# Altium PCB DoubleMain.PcbDoc (part 2 of 3)
Units mm, origin at the board's own origin, x right, y up, seen from the top; angles counter-clockwise.
Board outline 152.4 x 101.6 mm, 2 copper layers (Top Layer, Bottom Layer); 202 components, 0 nets, 741 pads, 650 vias.
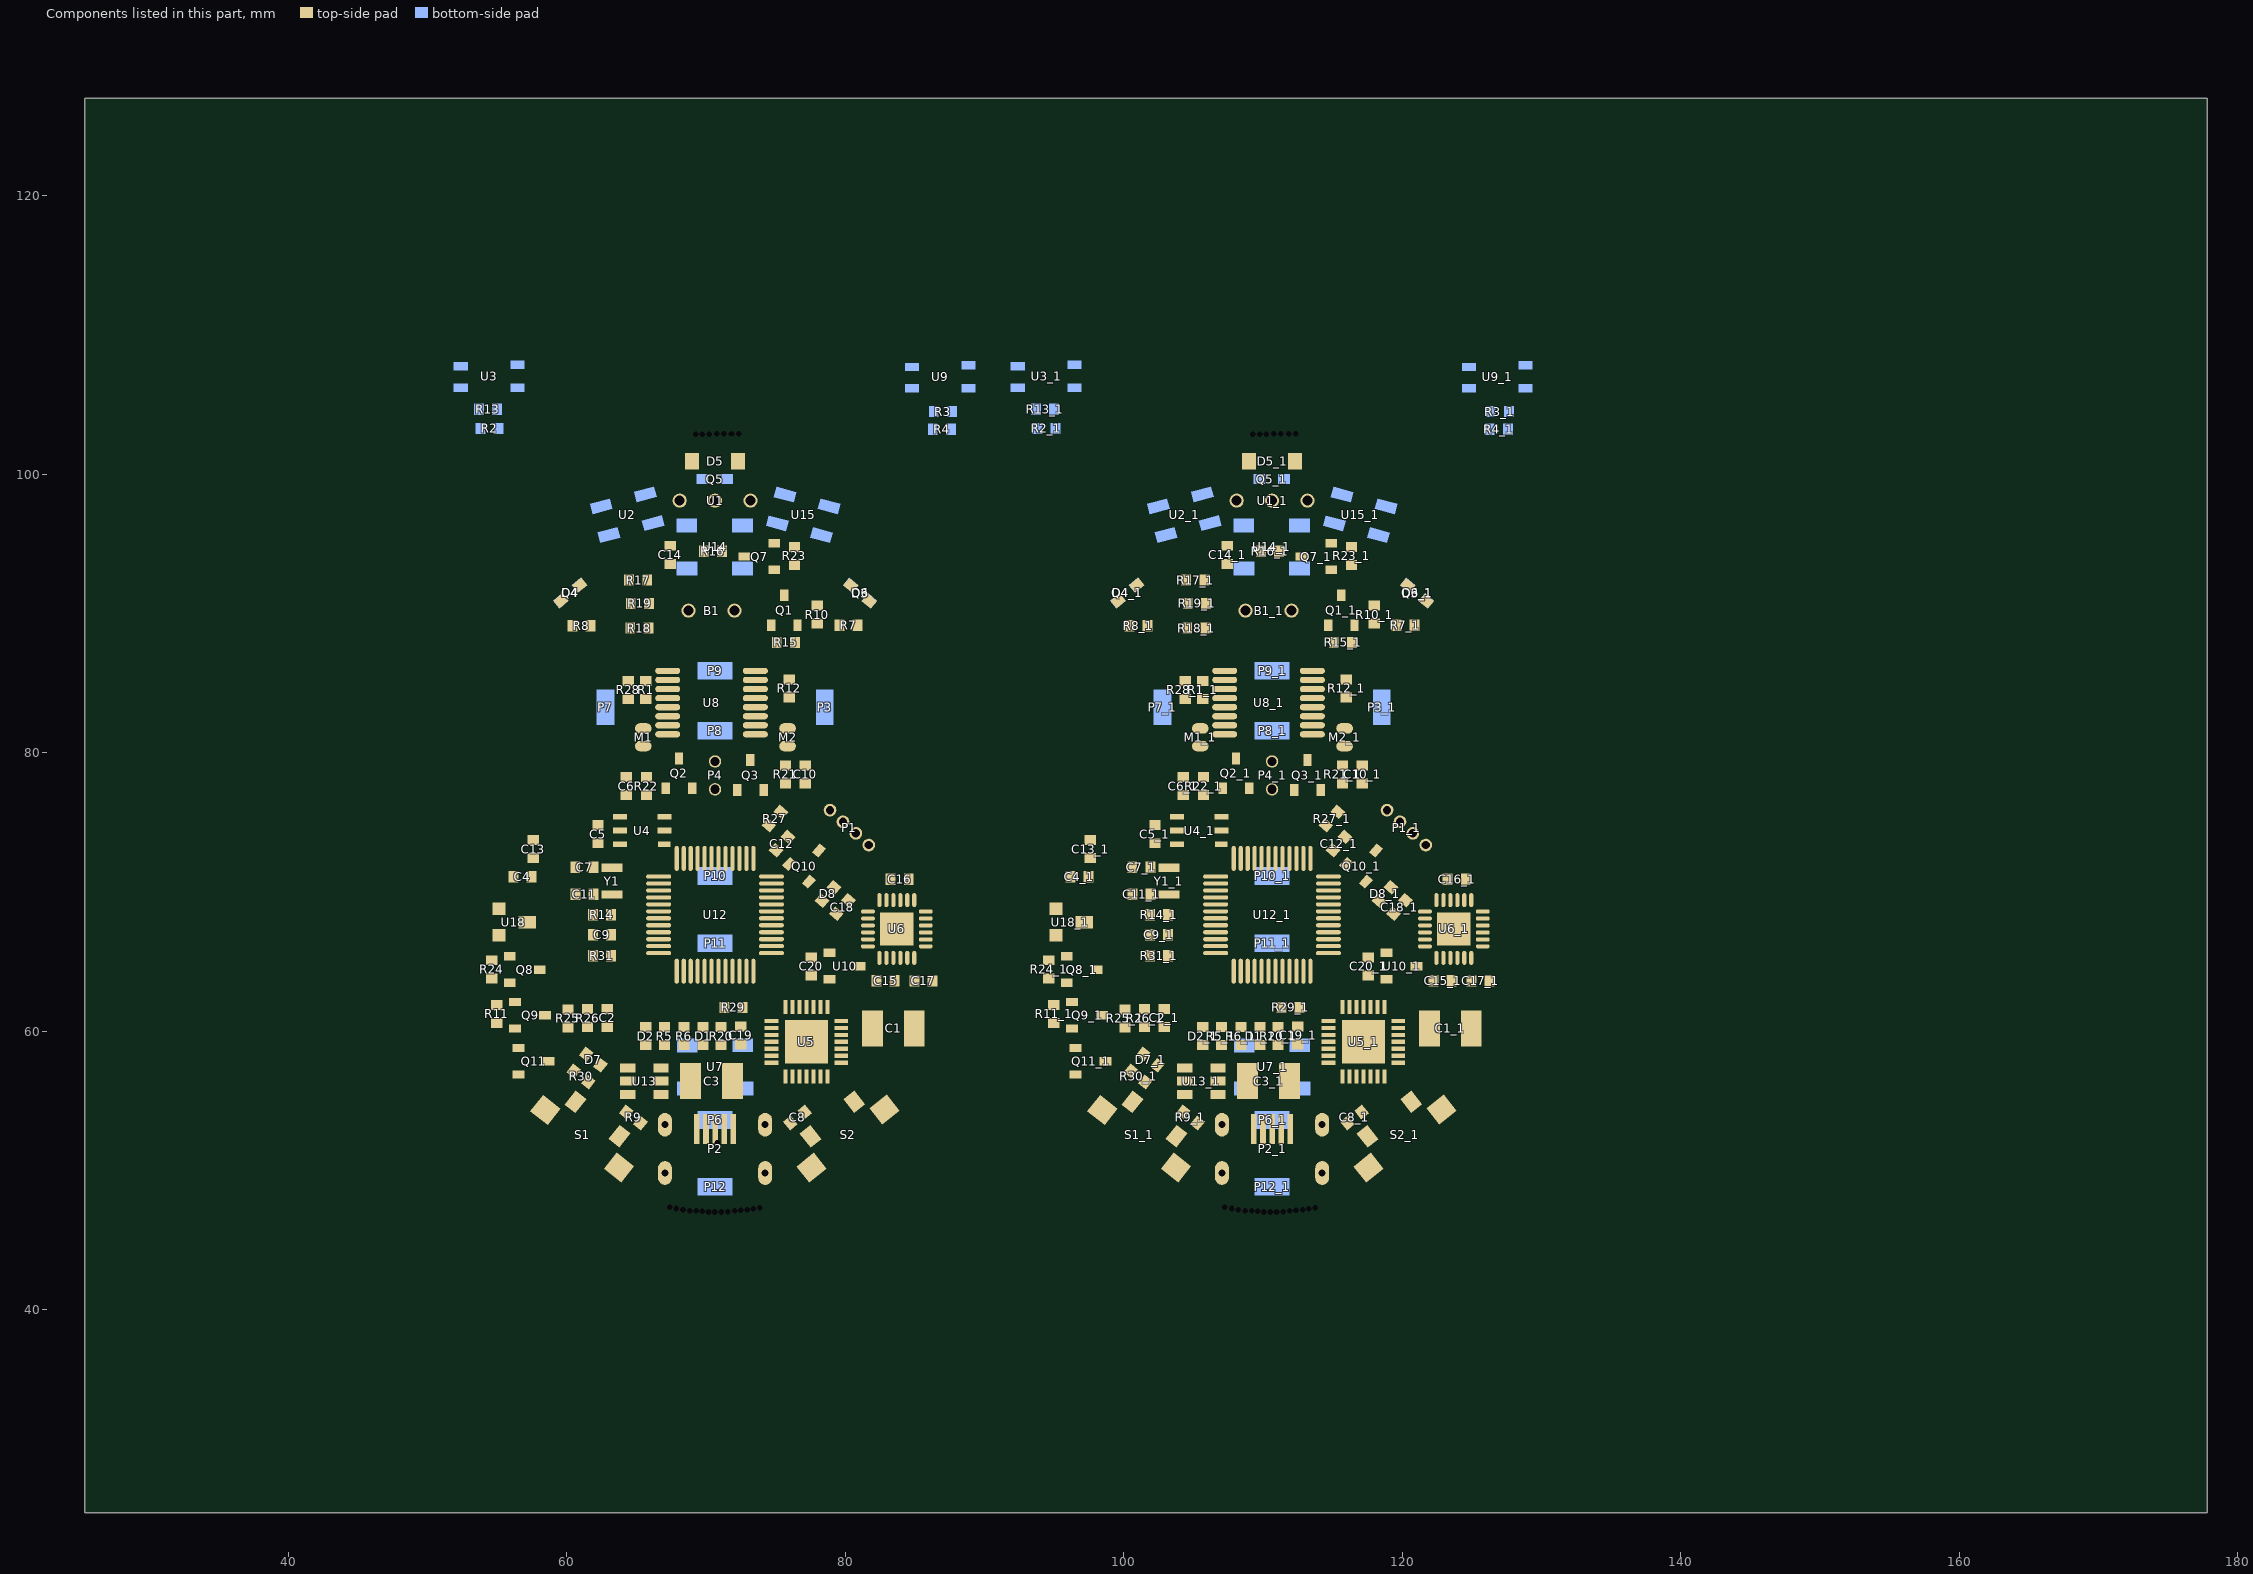
[diagram p2: the components of this part, seen from the top]

## Via types
v1: diameter 0.406, hole 0.254, Top Layer to Bottom Layer, 332 vias
v2: diameter 0.4, hole 0.254, Top Layer to Bottom Layer, 318 vias

## Nets (pads, with @x,y where several pads share a name; then routed paths per layer and width w, separated by ;. In a path a pad name is that pad's centre, name@x,y a point inside that pad or via, vN(x,y) a via of type N, cw(c..) or ccw(c..) an arc to the next point about the centre after c; other vN are vias at no path point) (continued)
copper on no net: | length 3039.1
  Top Layer w0.152: v1@52.009,105.06 53.845,105.06 cw(c53.845,103.963) 54.621,104.738 55.327,104.032 ccw(c55.912,104.617) 55.912,103.79 ccw(c55.912,105.291) 56.104,103.802 ccw(c55.912,105.291) 56.974,104.229 56.977,104.232 cw(c58.054,103.154) 58.054,104.679 59.212,104.679 cw(c59.212,102.139) 61.008,103.935 62.238,102.705 cw(c60.442,100.909) 62.749,101.972 62.922,101.799 ; 54.625,65.095 55.638,65.095 55.913,65.37 55.979,65.436 v1(56.835,65.436) ; 54.981,61.895 56.095,61.895 56.294,62.093 56.38,62.007 v1(57.14,62.007) ; 56.404,105.074 59.884,105.074 cw(c59.884,103.707) 60.851,104.673 63.23,102.294 cw(c62.113,101.176) 63.693,101.176 63.693,99.56 ccw(c64.716,99.56) 63.993,98.837 64.199,98.631 cw(c62.85,97.282) 64.339,98.475 ; 56.548,56.891 56.639,56.8 56.69,56.85 v1(57.419,56.85) ; 56.548,58.791 56.548,58.687 57.973,57.262 60.59,57.262 60.59,57.276 ; v1(58.004,58.73) 58.698,58.036 58.698,57.841 ; v1(58.054,63.531) 58.063,63.539 58.063,64.42 ; v1(59.346,75.345) ccw(c59.346,75.057) 59.142,75.261 ccw(c59.806,74.597) 58.867,74.608 ccw(c59.806,74.597) 58.867,74.597 58.867,65.817 59.123,65.561 59.123,63.722 59.517,63.327 63.352,63.327 63.987,62.692 68.149,62.692 68.903,63.446 68.903,64.307 ; 59.578,66.214 59.578,73.671 cw(c60.012,73.671) 59.705,73.977 59.901,74.173 v1(59.916,74.173) ; 59.585,66.214 59.839,65.96 59.839,64.216 60.017,64.039 63.896,64.039 64.15,63.785 ; 59.594,90.908 59.953,90.908 61.702,89.159 61.702,89.108 ; v1@59.655,89.108 60.402,89.108 ; 60.088,61.567 60.115,61.594 61.495,61.594 61.755,61.594 62.395,62.234 63.44,62.234 63.692,61.981 68.443,61.981 69.903,63.441 69.903,64.307 ; v1(60.112,58.476) 61.502,58.476 61.567,58.411 62.993,58.411 64.477,59.895 64.477,61.089 65.014,61.626 68.591,61.626 70.403,63.438 70.403,64.307 ; v1(60.628,73.157) 60.972,73.157 cw(c60.972,72.29) 61.585,72.903 61.661,72.827 ccw(c62.152,73.318) 62.152,72.624 63.903,72.624 cw(c63.903,71.618) 64.614,72.329 64.979,71.964 ; 60.637,54.929 62.178,54.929 62.554,55.305 62.554,55.758 62.449,55.864 62.449,56.18 62.424,56.205 62.424,57.438 62.554,57.568 ; 60.678,57.276 60.678,57.344 ; 61.055,92.033 v1(61.788,92.766) ; v1(61.255,90.709) 61.456,90.709 cw(c61.456,89.798) 62.1,90.442 cw(c60.951,89.293) 62.576,89.293 cw(c61.345,89.293) 62.215,88.423 62.245,88.392 62.245,78.998 61.256,78.009 61.255,78.009 58.791,75.545 ccw(c59.466,74.87) 58.512,74.87 58.512,65.639 58.767,65.383 58.767,63.575 59.37,62.972 63.205,62.972 63.84,62.337 68.296,62.337 69.403,63.444 69.403,64.307 ; 61.403,61.521 61.495,61.521 ; 61.912,71.776 63.244,71.776 63.246,71.778 63.538,71.778 64.276,71.04 64.276,69.222 64.503,68.995 64.848,68.995 64.928,68.915 65.057,68.915 65.248,69.107 66.603,69.107 ; 61.919,69.83 61.929,69.819 63.246,69.819 63.246,69.565 64.173,68.639 64.701,68.639 64.78,68.56 66.556,68.56 66.603,68.607 ; v1(62.017,77.873) 60.391,76.248 60.274,76.13 ccw(c60.91,75.494) 60.01,75.494 cw(c59.415,75.494) 59.836,75.073 59.498,74.736 ccw(c60.164,74.071) 59.223,74.071 59.223,66.176 ccw(c60.09,66.176) 59.234,66.04 59.478,65.795 59.478,63.912 59.707,63.683 63.499,63.683 64.134,63.048 68.001,63.048 68.332,63.379 68.332,64.307 68.403,64.307 ; 62.554,57.525 62.61,57.525 63.993,58.908 64.11,58.908 64.889,59.686 ccw(c63.984,59.989) 64.938,59.989 64.938,60.737 65.471,61.27 68.738,61.27 70.903,63.435 70.903,64.307 ; 62.922,101.799 cw(c62.148,101.025) 63.243,101.025 63.243,99.272 ccw(c64.145,99.272) 63.507,98.633 63.583,98.557 cw(c62.809,97.783) 63.904,97.783 63.904,97.413 64.071,96.756 64.133,96.356 64.292,96.137 64.292,95.916 64.303,95.904 64.303,94.92 63.393,94.011 63.393,93.316 63.414,93.295 63.414,88.423 62.601,87.61 62.601,77.602 60.46,75.461 60.46,74.173 cw(c59.829,74.173) 60.276,73.728 59.934,73.386 59.934,66.377 60.195,66.116 60.195,64.572 60.373,64.394 64.074,64.394 cw(c64.074,63.658) 64.247,64.374 cw(c64.074,63.658) 64.595,64.179 64.666,64.107 ccw(c65.015,64.456) 65.015,63.962 65.372,63.962 ccw(c65.372,64.569) 65.708,64.064 ccw(c65.361,64.411) 65.852,64.411 65.852,64.506 ccw(c65.269,64.516) 65.852,64.516 ccw(c65.289,64.516) 65.687,64.915 65.522,65.08 ; v1(62.931,56.241) 62.931,56.368 63.237,56.674 63.237,57.334 63.543,57.64 63.543,57.809 64.286,58.552 v1(64.658,58.552) ; 63.175,66.833 ccw(c63.64,66.833) 63.311,66.503 ; v1(63.414,87.534) 63.033,87.153 63.033,82.713 63.126,82.619 63.126,80.355 63.033,80.262 63.033,79.82 63.126,79.726 63.126,79.33 63.082,79.286 63.082,78.844 63.126,78.8 63.126,76.819 ccw(c63.975,76.819) 63.375,76.219 ccw(c63.592,76.436) 63.592,76.129 65.885,76.129 66.24,75.775 66.24,75.095 66.403,74.932 67.884,74.932 cw(c67.884,73.82) 68.67,74.606 69.281,73.995 69.281,73.488 69.403,73.366 69.403,72.407 ; 63.469,52.69 64.246,52.69 64.252,52.683 65.004,53.435 ; v1(63.566,80.041) 63.566,82.682 63.388,82.86 63.388,86.717 63.976,87.305 63.976,87.788 cw(c64.475,88.286) 63.769,88.286 63.769,93.413 cw(c64.476,93.413) 63.976,93.913 cw(c64.476,93.413) 64.476,94.12 65.782,94.12 cw(c66.045,93.857) 66.045,94.229 68.168,94.229 ccw(c68.168,94.438) 68.316,94.29 ccw(c68.071,94.535) 68.418,94.535 68.418,95.222 cw(c69.417,95.222) 68.71,95.929 cw(c70.211,94.428) 70.211,96.551 70.633,96.551 ccw(c70.633,97.702) 71.447,96.888 71.641,97.081 ; v1(63.642,79.075) 63.642,79.092 64.1,79.549 64.1,80.262 64.023,80.338 64.023,82.835 63.744,83.114 63.744,85.73 64.611,86.597 65.279,86.597 cw(c65.64,85.257) 65.64,86.645 65.904,86.645 ccw(c65.904,87.685) 66.64,86.949 67.351,87.661 ; 63.788,73.341 63.717,73.411 64.604,73.411 v1(64.675,73.341) ; 64.151,63.784 ccw(c64.625,64.259) 64.625,63.588 66.459,63.588 ccw(c66.459,64.346) 66.611,63.603 ccw(c66.459,64.346) 66.995,63.81 67.34,64.155 cw(c67.706,63.789) 67.706,64.307 67.903,64.307 67.903,64.199 ; 64.373,57.369 65.151,57.369 65.537,57.754 65.537,58.857 65.674,58.994 ; v1(64.557,66.325) 64.811,66.325 64.878,66.392 cw(c65.268,66.001) 65.268,66.553 66.474,66.553 ccw(c66.474,66.735) 66.603,66.607 ; 64.698,96.309 cw(c64.178,95.79) 64.911,95.832 cw(c64.178,95.79) 64.912,95.79 v1(64.912,94.773) ; 64.697,96.31 64.511,96.496 64.511,97.349 64.305,97.555 64.305,98.441 64.339,98.475 ; v2(64.785,69.474) 65.059,69.474 65.192,69.607 66.603,69.607 ; 64.979,71.963 cw(c64.369,71.354) 65.231,71.354 65.231,71.003 ccw(c65.492,71.003) 65.308,70.819 ccw(c65.82,71.33) 65.72,70.613 ccw(c65.82,71.33) 65.82,70.607 66.603,70.607 ; v2(65.037,70.177) 65.108,70.107 66.603,70.107 66.532,70.177 ; v1(65.039,99.675) 65.039,99.175 64.339,98.475 ; v1(65.308,64.506) 65.308,64.6 63.998,65.911 63.998,66.491 63.555,66.934 63.175,66.934 63.175,68.357 63.248,68.284 64.554,68.284 64.731,68.107 66.603,68.107 ; 65.431,85.263 65.689,85.004 ; 65.521,65.081 65.42,65.182 cw(c65.878,65.64) 65.23,65.635 cw(c65.878,65.64) 65.23,65.64 cw(c65.722,65.64) 65.374,65.988 ; 65.661,66.107 ccw(c65.661,65.701) 65.464,66.055 ccw(c65.661,65.701) 65.374,65.988 ; 65.674,60.294 67.021,60.294 ; 65.739,58.93 65.827,59.017 65.827,59.071 ; 65.787,92.395 cw(c66.008,92.174) 66.008,92.487 v1(66.843,92.487) ; 65.969,88.931 v1(67.097,88.931) ; 65.969,90.709 v1(66.843,90.709) ; v1(66.106,100.005) 66.785,99.326 66.785,98.433 67.097,98.121 67.097,97.843 ; v1(66.204,87.537) ccw(c66.204,88.151) 66.638,87.717 67.068,88.147 cw(c67.733,87.482) 67.733,88.423 68.177,88.423 ccw(c68.177,89.494) 68.935,88.737 v1(71.669,91.471) ; v1(66.407,64.699) 66.36,64.699 ccw(c65.774,65.285) 66.373,64.712 ccw(c65.774,65.285) 66.603,65.285 66.603,65.607 ; 66.603,66.107 65.661,66.107 ccw(c65.661,65.701) 65.374,65.988 ; 66.603,67.107 67.94,67.107 68.189,66.858 70.399,66.858 72.431,68.89 72.431,70.135 v1(72.456,70.16) ; 66.683,84.572 68.58,84.572 cw(c68.58,84.191) 68.621,84.569 cw(c68.58,84.191) 68.849,84.46 cw(c68.543,84.154) 68.971,84.219 cw(c68.543,84.154) 68.976,84.154 68.976,80.903 cw(c68.47,80.903) 68.828,80.545 68.062,79.778 68.062,79.744 ; 66.773,56.419 67.446,56.419 ccw(c67.446,56.679) 67.63,56.495 ccw(c67.446,56.679) 67.706,56.679 67.706,57.671 68.033,57.998 69.032,57.998 69.789,58.755 69.789,58.994 ; 66.902,73.411 67.503,73.411 67.706,73.614 67.706,73.919 67.978,74.191 68.58,74.191 68.903,73.868 68.903,72.407 ; 66.999,83.922 68.149,83.922 cw(c68.149,83.506) 68.443,83.8 cw(c68.014,83.371) 68.621,83.371 68.621,81.416 cw(c67.881,81.416) 68.404,80.893 cw(c67.78,81.517) 67.78,80.635 67.478,80.332 67.478,78.988 67.483,78.983 66.533,78.033 66.533,76.901 66.696,76.737 67.713,76.737 67.739,76.764 68.208,76.764 cw(c68.208,76.504) 68.392,76.688 cw(c68.147,76.443) 68.494,76.452 cw(c68.147,76.443) 68.494,76.443 68.494,75.519 69.637,74.376 70.094,74.376 70.403,74.068 70.403,72.407 ; 66.999,85.222 68.547,85.222 cw(c68.547,84.315) 69.188,84.956 cw(c68.841,84.609) 69.332,84.609 69.332,84.265 69.347,84.25 69.347,84.051 69.332,84.035 69.332,81.021 69.349,81.004 69.349,80.464 69.332,80.447 ; 67.082,97.843 ccw(c67.985,97.843) 67.347,97.204 ccw(c68.125,98.457) 67.423,97.16 ccw(c68.125,98.457) 68.125,96.982 68.128,96.982 ccw(c68.128,98.11) v1(68.926,97.313) ccw(c69.907,98.294) 69.907,96.906 ; 67.112,77.442 68.568,78.898 ccw(c68.318,79.148) 68.672,79.148 68.672,79.394 cw(c69.62,79.394) 68.949,80.064 69.332,80.447 ; 67.168,57.369 66.773,57.369 66.773,57.492 68.276,58.994 68.418,58.994 ; 67.351,87.661 cw(c67.964,87.047) 67.964,87.915 75.083,87.915 ; 67.743,67.177 67.986,67.42 v1(67.986,67.823) ; 67.833,79.515 68.062,79.744 ; 68.062,79.592 68.062,79.744 ; 68.899,56.419 68.899,57.027 70.866,58.994 71.085,58.994 ; 69.01,100.921 69.965,100.921 v1(70.323,100.564) ; 69.615,96.906 69.907,96.906 ; 69.789,60.294 70.943,60.294 ; 69.822,61.753 v2@70.627,61.753 ; 69.85,94.468 69.85,94.523 cw(c71.029,94.523) v1(70.196,95.357) ; 70.003,52.975 70.003,54.992 cw(c70.834,54.992) 70.246,55.58 70.551,55.885 ccw(c70.183,56.253) 70.704,56.253 70.704,57.745 ; v1(70.043,61.194) 70.943,60.294 ; v1(70.145,56.342) 70.145,57.691 70.808,58.354 72.786,58.354 ccw(c72.786,58.805) 73.105,58.486 73.578,58.959 cw(c74.249,58.288) 74.249,59.237 74.717,59.237 ; 70.653,52.975 v1(70.653,55.022) ; v1(70.653,91.725) 70.653,91.75 70.941,92.038 77.782,92.038 v1@77.993,91.826 ; v2(70.779,61.203) 70.825,61.203 71.324,61.702 71.324,61.529 71.923,60.929 ; v1(70.892,75.941) 70.903,75.93 70.903,72.407 ; 70.904,57.947 70.704,57.747 70.704,57.745 ; 70.966,60.009 ccw(c70.68,60.294) 71.085,60.294 70.943,60.294 ; 71.047,60.332 71.059,60.345 ; 71.15,94.468 71.531,94.087 72.753,94.087 ; 71.403,72.407 71.425,72.429 71.425,77.532 ccw(c70.608,77.532) 71.186,78.11 ccw(c70.573,77.497) 70.573,78.364 cw(c70.573,78.907) 70.189,78.523 69.535,79.177 cw(c70.026,79.668) 69.332,79.668 69.332,80.447 ; 71.641,97.082 ccw(c70.838,97.885) 71.974,97.885 71.974,98.271 74.399,100.696 75.377,100.696 ccw(c75.377,102.486) 76.643,101.22 77.406,101.983 cw(c78.022,101.983) 77.587,102.419 80.528,105.36 cw(c80.901,104.986) 80.55,105.381 cw(c80.901,104.986) 80.901,105.515 cw(c81.364,103.772) 81.364,105.575 cw(c81.653,105.286) 81.653,105.695 84.347,105.695 v1(84.389,105.652) ; 71.903,72.407 71.903,75.74 cw(c73.064,75.74) 72.055,76.315 ; 71.924,60.929 72.507,60.345 ; 72.002,80.495 cw(c72.439,80.931) 71.821,80.931 71.821,83.601 cw(c72.792,83.601) 72.106,84.287 cw(c72.792,83.601) 72.792,84.572 73.799,84.572 ; 72.002,80.495 72.919,79.578 ccw(c73.193,79.852) 73.193,79.465 73.066,79.465 ; 72.403,72.407 72.403,73.77 75.244,76.611 77.586,76.611 78.146,77.17 v1@78.146,88.219 ; v1(72.431,66.553) cw(c72.921,66.553) 72.574,66.9 72.659,66.985 cw(c72.953,66.691) 72.953,67.107 74.703,67.107 ; 72.482,59.02 72.507,59.02 ; 72.507,59.045 72.956,59.045 ccw(c72.956,59.336) 73.161,59.13 ccw(c72.894,59.398) 73.272,59.398 73.272,60.191 cw(c74.475,60.191) 73.625,61.041 ; 72.624,61.702 73.043,61.282 ccw(c73.625,61.864) 73.625,61.041 ; v1(72.685,75.977) 72.685,76.153 cw(c73.154,76.153) 72.822,76.485 72.822,77.359 73.066,77.602 cw(c73.618,77.602) 73.227,77.992 73.548,78.313 ccw(c72.708,79.154) 73.897,79.154 73.897,79.695 ccw(c73.228,79.695) 73.701,80.168 ccw(c73.21,79.677) 73.21,80.371 73.193,80.371 cw(c73.193,81.168) 72.629,80.604 72.319,80.915 cw(c72.558,81.154) 72.219,81.154 72.219,83.241 cw(c73.078,83.241) 72.343,83.685 cw(c72.915,83.113) 72.915,83.922 73.799,83.922 ; 72.903,72.407 72.903,73.264 73.838,74.199 v1(73.98,74.199) 73.98,74.22 74.508,74.748 74.508,74.783 ; v1@73.374,62.391 v1(73.442,62.391) 73.82,62.769 v1(75.149,62.769) ; 73.403,72.407 cw(c74.07,72.407) 73.598,72.878 76.533,75.813 78.845,75.813 78.908,75.876 ; v1(73.447,57.181) 73.447,57.635 cw(c73.846,57.635) 73.564,57.917 cw(c74.335,57.146) 74.335,58.237 74.717,58.237 74.677,58.197 ; 73.799,85.222 72.765,85.222 ccw(c72.765,83.618) 71.631,84.752 ccw(c72.03,84.353) 71.466,84.353 71.466,83.913 71.447,83.894 71.447,80.404 ccw(c72.032,80.404) 71.618,79.99 71.995,79.613 cw(c71.396,79.014) 72.243,79.014 72.243,77.315 72.243,76.768 cw(c71.602,76.768) 72.182,76.495 ; 73.98,61.397 73.625,61.041 ; 73.981,61.398 cw(c74.8,60.577) 74.8,61.737 75.717,61.737 ; v1(74.006,93.296) 74.165,93.137 74.903,93.137 76.015,93.137 76.355,93.477 ; v1(74.538,100.081) v1(75.945,100.081) ; 74.632,66.036 74.703,66.036 ; 74.677,89.153 74.677,88.894 ccw(c76.063,88.894) 75.083,87.915 ; 74.703,65.607 74.703,65.391 ; 74.703,66.107 75.655,66.107 cw(c75.655,65.637) 75.734,66.1 75.798,66.036 cw(c75.593,65.832) 75.882,65.832 75.882,64.963 cw(c75.545,64.963) 75.784,64.725 75.809,64.699 v2(75.885,64.699) ; 74.703,68.107 75.606,68.107 cw(c75.606,67.487) 76.044,67.925 76.068,67.901 cw(c75.359,67.193) 76.206,67.728 cw(c75.359,67.193) 76.361,67.193 76.361,66.204 76.368,66.198 76.368,63.258 v2(76.183,63.073) ; 74.703,69.107 75.784,69.107 cw(c75.784,68.28) 76.032,69.068 cw(c75.784,68.28) 76.368,68.865 76.583,68.65 ccw(c76.8,68.866) v1(76.8,68.56) ; 74.703,69.607 76.231,69.607 v1(76.241,69.616) ; 74.703,70.107 74.703,70.16 76.376,70.16 cw(c76.376,69.625) 76.755,70.003 ccw(c77.098,70.346) 77.098,69.861 77.252,69.861 ccw(c77.252,70.35) 77.597,70.004 ; 74.717,58.737 74.263,58.737 ccw(c74.263,57.761) 73.573,58.451 73.231,58.109 cw(c72.964,58.376) 72.964,57.998 70.957,57.998 70.704,57.745 ; v1(74.971,54.895) 75.123,54.742 75.776,54.09 cw(c75.084,53.398) 76.062,53.398 ; 75.158,87.946 cw(c75.083,88.021) 75.083,87.915 ; v1(75.225,101.25) 75.225,101.199 75.199,101.173 74.373,101.173 71.618,98.418 71.618,98.057 cw(c70.421,98.057) 71.268,97.211 cw(c70.532,97.947) 70.532,96.906 69.907,96.906 ; v2(75.25,63.962) 75.25,64.069 ccw(c74.036,64.069) 74.895,64.928 cw(c75.358,65.391) 74.716,65.258 ; 75.479,68.607 75.53,68.607 cw(c75.53,67.493) 76.316,68.281 ; 75.627,91.303 76.346,91.303 cw(c76.346,89.481) 77.634,90.769 ccw(c77.974,91.109) 77.974,90.629 ; 75.707,77.79 77.13,77.79 ; 75.973,72.012 76.596,72.636 v1(76.596,72.981) ; 76.318,68.28 cw(c75.352,67.315) 76.717,67.315 76.717,66.352 76.723,66.345 76.723,61.743 76.717,61.737 ; v1@76.49,51.309 v1(76.465,51.309) 76.465,51.392 77.518,52.445 ; v1(76.63,95.755) 76.63,96.595 76.623,96.601 ccw(c74.927,96.986) 76.666,96.986 cw(c78.422,96.986) 76.734,97.467 cw(c78.463,97.467) 77.24,98.689 v1(77.272,98.721) ; 77.217,61.737 77.257,61.777 v2@77.257,63.124 ; v1@77.361,98.684 cw(c77.361,98.811) v1(77.272,98.721) ; 77.562,63.998 78.161,63.998 78.435,63.724 78.874,63.724 v1@78.874,64.648 ; 77.598,70.004 79.457,71.863 ccw(c78.858,72.462) 79.705,72.462 79.705,72.767 cw(c80.344,72.767) 79.892,73.219 80.766,74.093 80.766,74.204 ; 77.717,61.737 77.717,62.543 v1(77.892,62.718) ; 78.023,73.087 78.297,73.361 78.297,74.036 v1(78.191,73.931) ; v1(78.355,94.214) 78.449,94.12 ccw(c80.245,95.916) 80.245,93.376 cw(c80.245,92.004) 81.214,92.974 81.628,92.56 cw(c80.485,91.418) 81.63,92.559 cw(c80.485,91.418) 82.101,91.418 cw(c81.689,91.418) 82.078,91.282 cw(c81.689,91.418) 81.981,91.126 81.737,90.883 ; v1(78.769,77.242) 78.769,77.509 78.501,77.776 78.501,87.795 78.705,87.998 78.705,93.109 77.157,94.657 77.157,95.529 77.163,95.535 77.163,95.976 77.157,95.982 77.157,97.672 77.855,98.37 ccw(c76.059,100.166) 77.966,98.488 ccw(c76.059,100.166) 78.241,98.866 ccw(c76.059,100.166) 78.599,100.166 v1(78.599,100.356) ccw(c78.532,100.423) 78.627,100.423 78.627,101.288 cw(c81.167,101.288) 79.371,103.084 80.322,104.035 cw(c81.361,102.996) 81.361,104.466 ; 78.874,65.624 v1@78.874,64.648 ; v1(78.933,64.648) v1@78.874,64.648 ; 79.362,68.432 79.704,68.091 81.633,68.091 ; 79.579,89.159 79.721,89.017 v1(79.721,88.27) ; 80.051,91.172 ccw(c81.231,91.172) 80.397,90.337 ; 80.051,91.173 cw(c81.231,91.173) 80.397,92.008 ; v2(80.124,65.74) 80.432,65.74 80.782,66.091 81.633,66.091 ; v2(80.203,66.528) 80.203,66.552 80.242,66.591 81.633,66.591 ; 80.232,69.398 80.249,69.416 81.285,69.416 81.354,69.347 82.39,69.347 82.458,69.416 82.458,70.409 82.972,70.922 83.262,70.922 ; 80.397,90.337 cw(c79.233,89.174) 80.879,89.174 80.879,89.159 ; 81.431,104.495 cw(c81.361,104.564) 81.361,104.466 ; 84.562,70.922 84.775,70.922 cw(c84.775,70.627) 84.984,70.836 86.106,69.714 cw(c85.577,69.185) 86.325,69.185 86.325,69.007 86.563,68.768 86.563,67.7 86.453,67.591 85.783,67.591 ; 85.783,67.091 86.523,67.091 87.156,66.457 87.156,65.353 86.263,64.46 86.263,63.607 ; v1(88.453,106.414) 87.247,105.207 cw(c86.48,105.974) 86.48,104.89 85.512,104.89 85.456,104.946 81.732,104.946 81.726,104.952 81.41,104.952 81.404,104.946 81.206,104.946 ccw(c81.206,103.6) 80.254,104.552 79.145,103.443 79.145,103.429 78.443,102.728 78.43,102.728 78.375,102.673 ccw(c79.361,101.687) 77.967,101.687 77.967,99.897 cw(c76.805,99.897) 77.627,99.076 v1(77.272,98.721) ; v1(88.936,105.118) 87.94,104.122 85.108,104.122 cw(c85.108,105.414) 84.767,104.168 ccw(c83.883,103.284) 84.628,104.288 84.339,104.577 81.726,104.577 ccw(c81.726,103.924) 81.361,104.466 ; v1@92.009,105.06 93.845,105.06 cw(c93.845,103.963) 94.621,104.738 95.327,104.032 ccw(c95.912,104.617) 95.912,103.79 ccw(c95.912,105.291) 96.104,103.802 ccw(c95.912,105.291) 96.974,104.229 96.977,104.232 cw(c98.054,103.154) 98.054,104.679 99.212,104.679 cw(c99.212,102.139) 101.008,103.935 102.238,102.705 cw(c100.442,100.909) 102.749,101.972 102.922,101.799 ; 94.625,65.095 95.638,65.095 95.913,65.37 95.979,65.436 v1(96.835,65.436) ; 94.981,61.895 96.095,61.895 96.294,62.093 96.38,62.007 v1(97.14,62.007) ; 96.404,105.074 99.884,105.074 cw(c99.884,103.707) 100.851,104.673 103.23,102.294 cw(c102.113,101.176) 103.693,101.176 103.693,99.56 ccw(c104.716,99.56) 103.993,98.837 104.199,98.631 cw(c102.85,97.282) 104.339,98.475 ; 96.548,56.891 96.639,56.8 96.69,56.85 v1(97.419,56.85) ; 96.548,58.791 96.548,58.687 97.973,57.262 100.59,57.262 100.59,57.276 ; v1(98.004,58.73) 98.698,58.036 98.698,57.841 ; v1(98.054,63.531) 98.063,63.539 98.063,64.42 ; v1(99.346,75.345) ccw(c99.346,75.057) 99.142,75.261 ccw(c99.806,74.597) 98.867,74.608 ccw(c99.806,74.597) 98.867,74.597 98.867,65.817 99.123,65.561 99.123,63.722 99.517,63.327 103.352,63.327 103.987,62.692 108.149,62.692 108.903,63.446 108.903,64.307 ; 99.578,66.214 99.578,73.671 cw(c100.012,73.671) 99.705,73.977 99.901,74.173 v1(99.916,74.173) ; 99.585,66.214 99.839,65.96 99.839,64.216 100.017,64.039 103.896,64.039 104.15,63.785 ; 99.594,90.908 99.953,90.908 101.702,89.159 101.702,89.108 ; v1@99.655,89.108 100.402,89.108 ; 100.088,61.567 100.115,61.594 101.495,61.594 101.755,61.594 102.395,62.234 103.44,62.234 103.692,61.981 108.443,61.981 109.903,63.441 109.903,64.307 ; v1(100.112,58.476) 101.502,58.476 101.567,58.411 102.993,58.411 104.477,59.895 104.477,61.089 105.014,61.626 108.591,61.626 110.403,63.438 110.403,64.307 ; v1(100.628,73.157) 100.972,73.157 cw(c100.972,72.29) 101.585,72.903 101.661,72.827 ccw(c102.152,73.318) 102.152,72.624 103.903,72.624 cw(c103.903,71.618) 104.614,72.329 104.979,71.964 ; 100.637,54.929 102.178,54.929 102.554,55.305 102.554,55.758 102.449,55.864 102.449,56.18 102.424,56.205 102.424,57.438 102.554,57.568 ; 100.678,57.276 100.678,57.344 ; 101.055,92.033 v1(101.788,92.766) ; v1(101.255,90.709) 101.456,90.709 cw(c101.456,89.798) 102.1,90.442 cw(c100.951,89.293) 102.576,89.293 cw(c101.345,89.293) 102.215,88.423 102.245,88.392 102.245,78.998 101.256,78.009 101.255,78.009 98.791,75.545 ccw(c99.466,74.87) 98.512,74.87 98.512,65.639 98.767,65.383 98.767,63.575 99.37,62.972 103.205,62.972 103.84,62.337 108.296,62.337 109.403,63.444 109.403,64.307 